# Altium PCB PCB1.PcbDoc (part 1 of 2)
Units mm, origin at the board's own origin, x right, y up, seen from the top; angles counter-clockwise.
Board outline 98.68 x 97.8 mm, 2 copper layers (Top Layer, Bottom Layer), stack 1.569 mm thick; 110 components, 107 nets, 431 pads, 347 vias.
Unrouted connection lines stored in the file: 1.
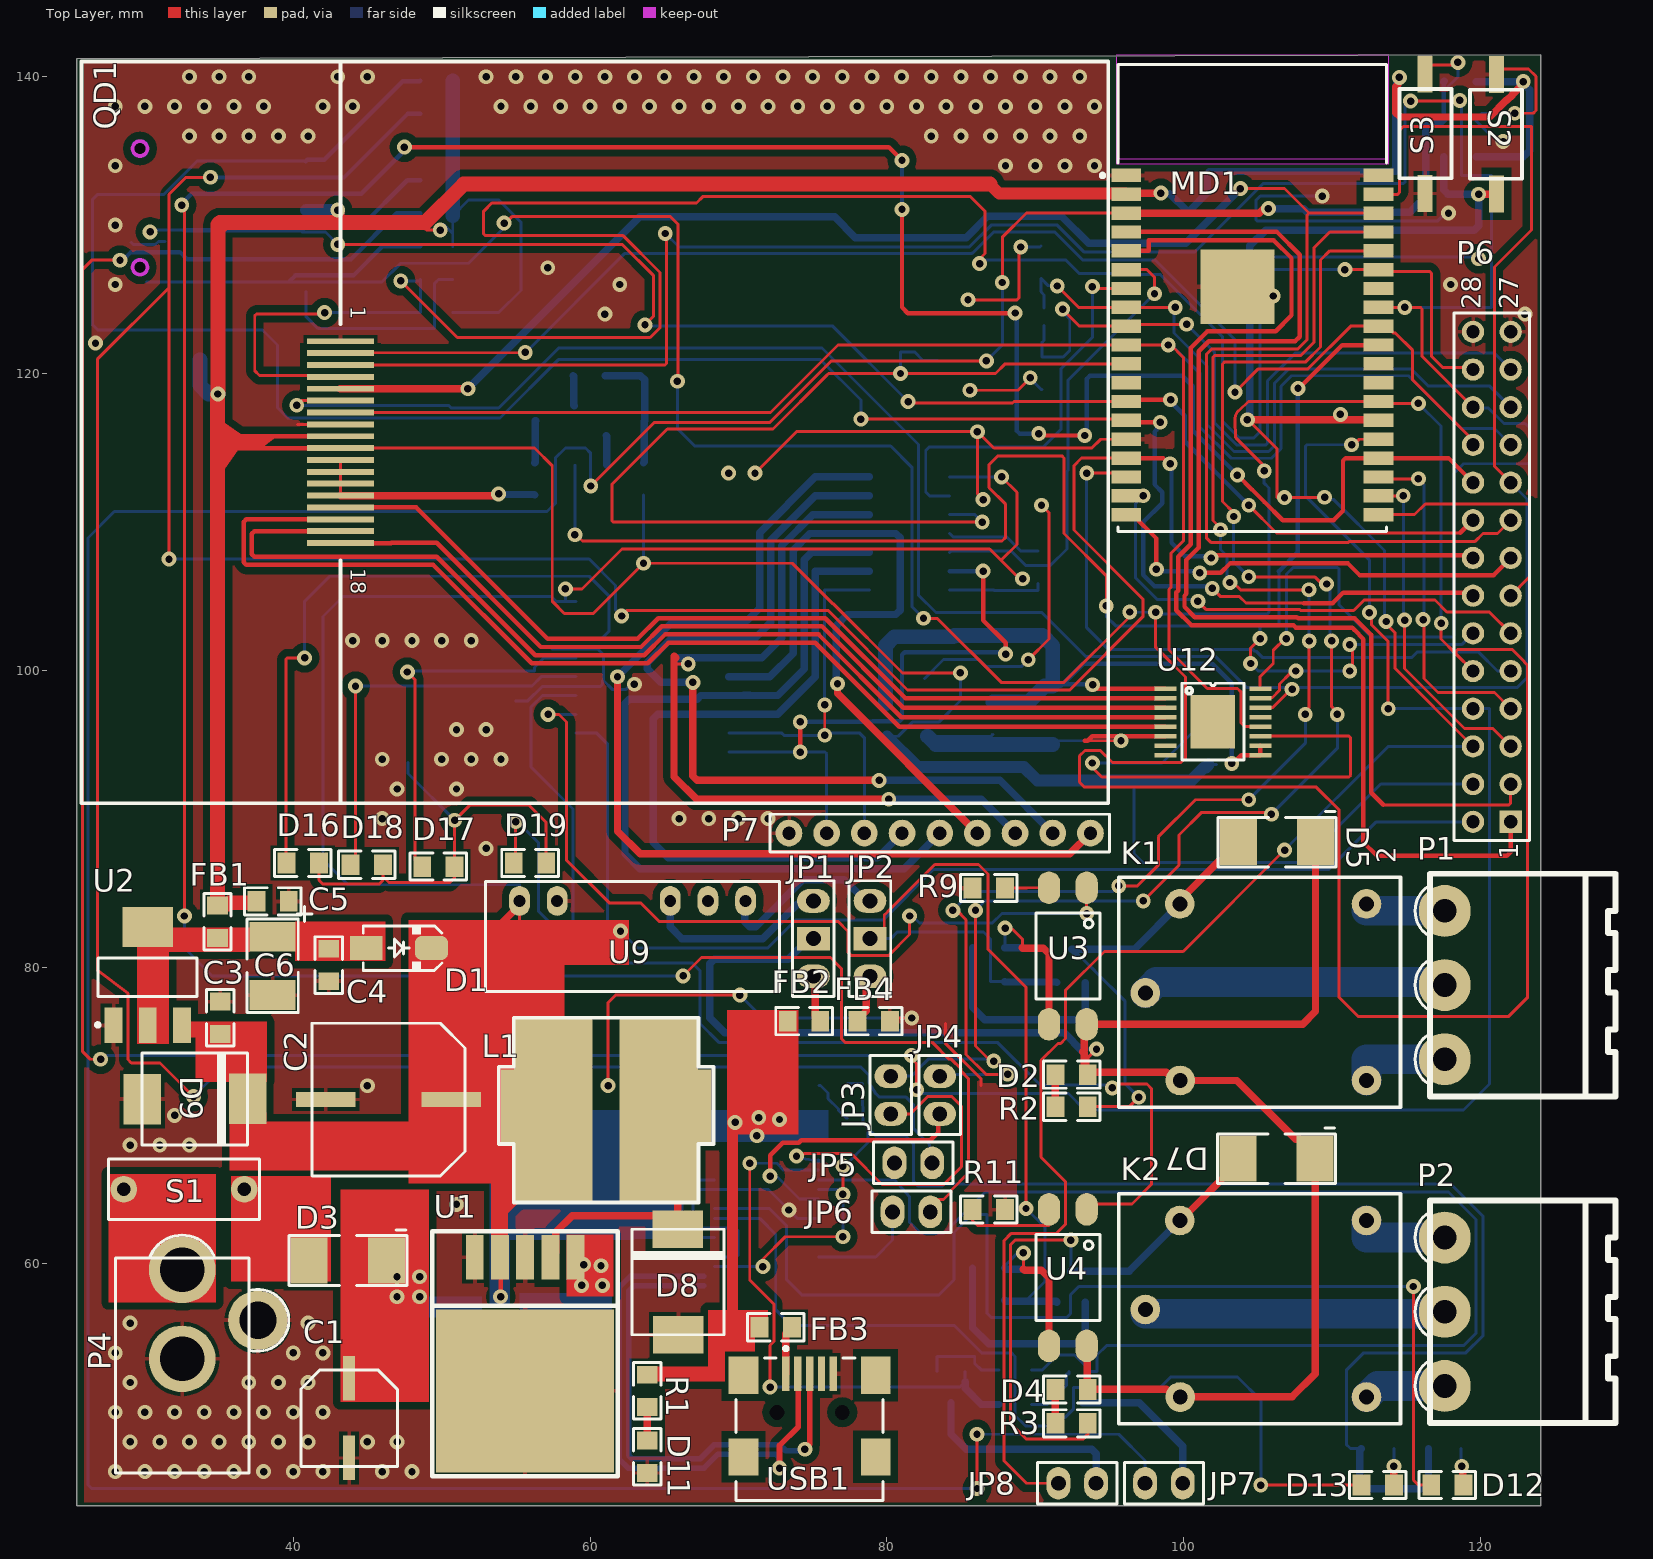
[diagram p0: Top Layer view]
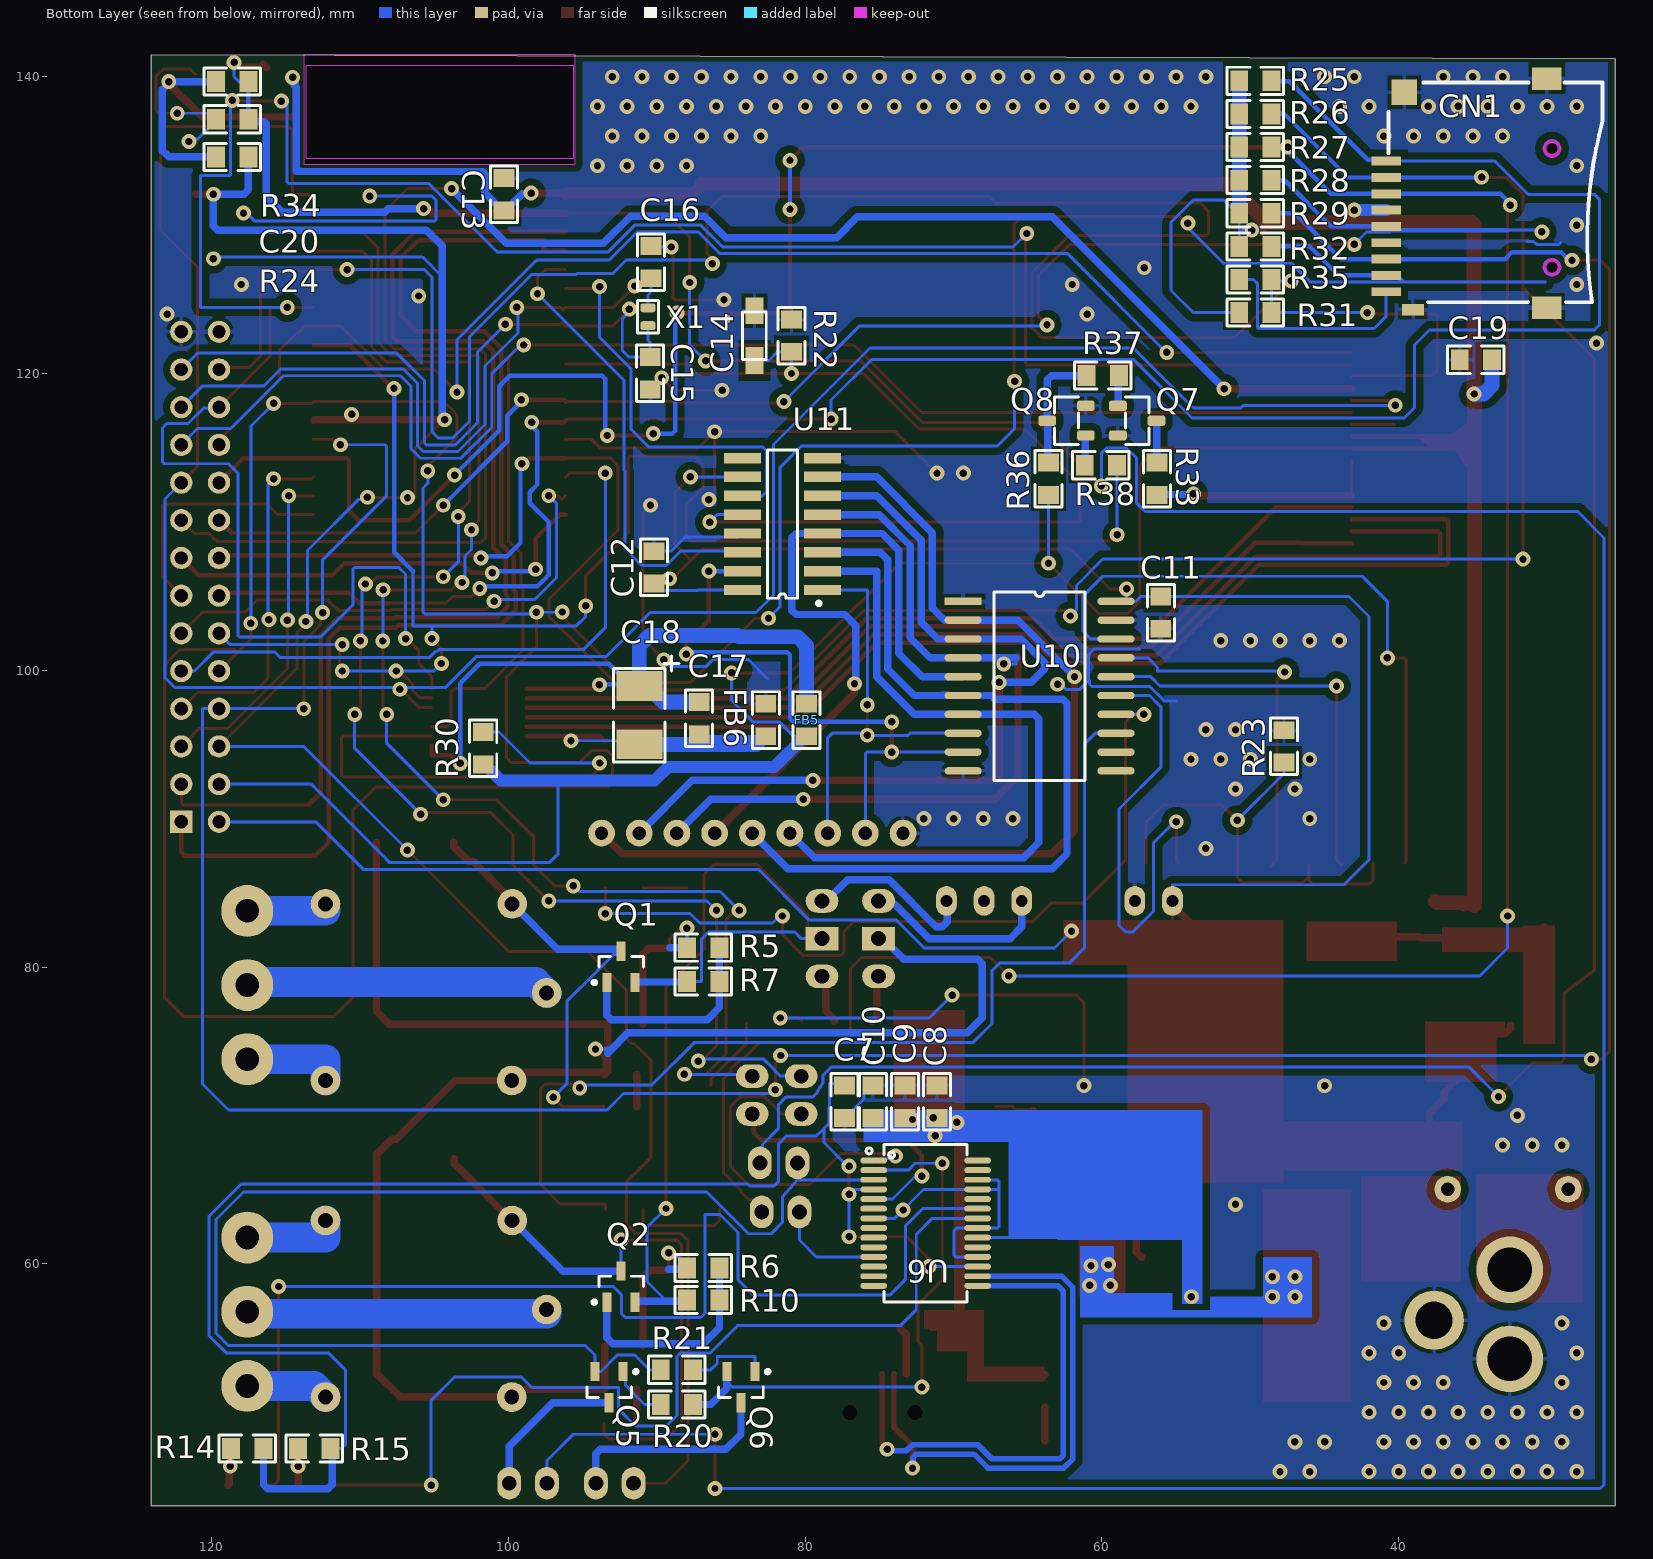
[diagram p1: Bottom Layer view, seen from below]

## Layer stack, top to bottom
Top Solder: solder mask 0.0254, SM-001, Dk 4
Top Layer: signal copper 0.035
Dielectric 1: core 1.4986, Core-043, Dk 4.3
Bottom Layer: signal copper 0.035
Bottom Solder: solder mask 0.0254, SM-001, Dk 4

## Board outline
25.4,43.688 25.4,141.201 124.079,141.491 124.079,43.688
cut-out: 113.792,141.478 113.792,134.112 95.504,134.112 95.504,141.478

## Design rules (kind name [scope] priority, off if disabled: settings)
Clearance Clearance_2 [InNamedPolygon('GND_L01_P004') Or InNamedPolygon('GND_L02_P002')] p1: gap=0.5 ignorepadtopadclearanceinfootprint=FALSE
Clearance Clearance_1 [InNamedPolygon('ADC_GND_L01_P000') Or InNamedPolygon('GND_L01_P004') Or InNamedPolygon('ADC_GND_L02_P003') Or InNamedPolygon('GND_L02_P002')] p2: gap=1 ignorepadtopadclearanceinfootprint=FALSE
Clearance [All] p3: gap=0.25 ignorepadtopadclearanceinfootprint=TRUE
ComponentClearance [All] p1: gap=-1 collisioncheckmode=3 verticalgap=2540 showdistances=FALSE
DiffPairsRouting [All] p1: maxlimit=0.254 minlimit=0.254 mostfreqgap=0.254 toplayer_minwidth=0.381 toplayer_maxwidth=0.381 toplayer_prefwidth=0.381 bottomlayer_minwidth=0.381 bottomlayer_maxwidth=0.381 bottomlayer_prefwidth=0.381 maxuncoupledlength=12.7
Height [All] p1: minheight=0 maxheight=55 prefheight=12.7
PolygonConnect [All] p1: connectstyle=Relief reliefconductorwidth=0.254 reliefentries=4 polygonreliefangle="90 Angle" airgapwidth=0.254
RoutingVias [All] p1: holewidth=0.5 width=1 viastyle="Through Hole" minholewidth=0.5 minwidth=1 maxholewidth=0.5 maxwidth=1
SolderMaskExpansion [All] p1: expansion=0.102 istentingtop=FALSE
Width [All] p1: maxlimit=5 minlimit=0.2 preferedwidth=0.2
27 further rules are at their usual default settings.

## Classes and differential pairs
component class "Room Definition 2": C7 C8 C9 C10 D12 D13 FB3 JP5 JP6 JP7 JP8 Q5 Q6 R14 R15 R20 R21 U6 USB1
component class "Room Definition 1": C1 C2 C3 C4 C5 C6 D1 D3 D8 D9 D11 FB1 L1 P4 R1 S1 U1 U2
component class Sheet1: C1 C2 C3 C4 C5 C6 C7 C8 C9 C10 C11 C12 C13 C14 C15 C16 C17 C18 C19 C20 CN1 D1 D2 D3 D4 D5 D7 D8 D9 D11 D12 D13 D16 D17 D18 D19 FB1 FB2 FB3 FB4 FB5 FB6 JP5 JP6 JP7 JP8 K2 L1 MD1 P1 P2 P4 P6 Q1 Q2 Q5 Q6 Q7 Q8 R1 R2 R3 R5 R6 R7 R9 R10 R11 R14 R15 R20 R21 R22 R23 R24 R25 R26 R27 R28 R29 R30 R31 R32 R33 R34 R35 R36 R37 R38 S1 S2 S3 U1 U2 U3 U4 U6 U9 U10 U11 U12 USB1
differential pair USB_D: +USB_D_P -USB_D_N

## Components (designator, comment, footprint, x,y, rotation, side; value= is the part's Value field where it differs from the comment)
C1 "Cap Pol1" C_CYL_SMD2 43.561,49.53 r90 top value=100uF
C2 "Cap Pol1" C_CYL_SMD 46.609,70.993 r0 top value=1000uF
C3 "Cap" SMD_805 35.052,76.581 r0 top value=100nF
C4 "Cap" SMD_805 42.418,80.137 r180 top value=100nF
C5 "Cap" SMD_805 38.608,84.455 r270 top value=100nF
C6 "Cap Pol2" C_B 38.608,80.01 r180 top value=100uF
C7 "Cap" SMD_805 77.318,70.917 r0 bottom value=100nF
C8 "Cap" SMD_805 71.145,70.917 r180 bottom value=100nF
C9 "Cap" SMD_805 73.304,70.917 r180 bottom value=47nF
C10 "Cap" SMD_805 75.463,70.917 r180 bottom value=10nF
C11 "Cap" SMD_805 56.007,103.886 r0 bottom value=100nF
C12 "Cap" SMD_805 90.17,106.934 r0 bottom value=100nF
C13 "Cap" SMD_805 100.33,132.08 r180 bottom value=100nF
C14 "Cap Pol2" CAP_SMD_A 83.439,122.555 r90 bottom value=1uF
C15 "Cap" SMD_805 90.424,120.015 r0 bottom value=12pF
C16 "Cap" SMD_805 90.41,127.508 r180 bottom value=12pF
C17 "Cap" SMD_805 87.122,96.774 r0 bottom value=100nF
C18 "Cap Pol2" C_B 91.186,96.901 r0 bottom value=10uF
C19 "Cap" SMD_805 34.798,120.904 r90 bottom value=100nF
C20 "Cap" SMD_805 118.618,137.109 r90 bottom value=1nf
CN1 "Micr SD Card" "Micro SD Card" 35.433,132.08 r270 bottom
D1 "1N4007" D_SMA 47.117,81.28 r0 top
D2 "LED0" SMD_805 92.456,72.771 r270 top
D3 "Diode 1N4007" TVS 43.688,60.198 r270 top
D4 "LED0" SMD_805 92.456,51.562 r270 top
D5 "Diode" TVS 106.299,88.392 r270 top
D7 "Diode" TVS 106.274,67.056 r270 top
D8 "1N5822" DO_214_AB_SMC 65.913,58.801 r90 top
D9 "smbj5V" DO_214_AB_SMC 33.401,71.12 r0 top
D11 "LED0" SMD_805 63.83,46.99 r0 top
D12 "LED0" SMD_805 117.78,45.11 r270 top
D13 "LED0" SMD_805 113.081,45.11 r270 top
D16 "LED0" SMD_805 40.64,86.995 r90 top
D17 "LED0" SMD_805 49.784,86.741 r90 top
D18 "LED0" SMD_805 44.958,86.868 r90 top
D19 "LED0" SMD_805 55.956,86.995 r90 top
FB1 "FERRIT" SMD_805 34.925,83.058 r180 top
FB2 "FERRIT" SMD_805 74.422,76.327 r90 top
FB3 "FERRIT" SMD_805 72.517,55.753 r270 top
FB4 "FERRIT" SMD_805 79.121,76.378 r270 top
FB5 "FERRIT" SMD_805 79.883,96.647 r0 bottom
FB6 "FERRIT" SMD_805 82.677,96.647 r180 bottom
JP1 "JMPHDR3PIN" JP_3 75.057,81.915 r90 top
JP2 "JMPHDR3PIN" JP_3 78.867,81.915 r90 top
JP3 "JMPHDR2PIN" JP_2_BLK 80.264,71.374 r90 top
JP4 "JMPHDR2PIN" JP_2_BLK 83.566,71.374 r90 top
JP5 "JMPHDR2PIN" JP_2_BLK 81.788,66.802 r0 top
JP6 "JMPHDR2PIN" JP_2_BLK 81.661,63.5 r0 top
JP7 "JMPHDR2PIN" JP_2_BLK 98.679,45.212 r0 top
JP8 "JMPHDR2PIN" JP_2_BLK 92.837,45.212 r0 top
K1 "Relay" RELAY_5V 105.664,78.105 r90 top
K2 "Relay" RELAY_5V 105.664,56.769 r90 top
L1 "Inductor" INDUC_SMD 61.087,70.104 r180 top value=100uH
MD1 "ESP32-WROVER-I" FP-ESP32-WROVER-I-MFG 104.639,125.09 r0 top
P1 "Header 3" PHOENIX_3 117.602,78.787 r90 top
P2 "Header 3" PHOENIX_3 117.602,56.769 r90 top
P4 "Header 2" adap_jack 37.012,45.894 r90 top
P6 "Header 14X2" HDR2X14 122.047,89.789 r90 top
P7 "Header 9" "ARAY 9" 86.741,89.027 r270 top
Q1 "BC817" SOT23 92.411,79.883 r180 bottom
Q2 "BC817" SOT23 92.411,58.335 r180 bottom
Q5 "BC817" SOT23 93.218,51.816 r0 bottom
Q6 "BC817" SOT23 84.328,51.816 r0 bottom
Q7 "SS8050" SOT23_3 57.628,116.824 r180 bottom
Q8 "SS8050" SOT23_3 62.387,116.824 r0 bottom
QD1 "QD3203-RY" QD-TFT2803 25.72,141.034 r270 top
R1 "Res1" SMD_805 63.881,51.435 r180 top value=1K
R2 "Res1" SMD_805 92.456,70.612 r270 top value=1k
R3 "Res1" SMD_805 92.456,49.276 r270 top value=1k
R5 "Res1" SMD_805 86.868,81.28 r90 bottom value=1k
R6 "Res1" SMD_805 86.868,59.69 r90 bottom value=1k
R7 "Res1" SMD_805 86.868,78.994 r90 bottom value=10k
R9 "Res1" SMD_805 86.868,85.344 r270 top value=1k
R10 "Res1" SMD_805 86.868,57.531 r90 bottom value=10k
R11 "Res1" SMD_805 86.868,63.627 r90 top value=1k
R14 "Res1" SMD_805 117.602,47.523 r90 bottom value=270
R15 "Res1" SMD_805 113.081,47.523 r90 bottom value=270
R20 "Res1" SMD_805 88.646,50.546 r270 bottom value=10K
R21 "Res1" SMD_805 88.646,52.832 r90 bottom value=10K
R22 "Res1" SMD_805 80.899,122.555 r0 bottom value=6.8k
R23 "Res1" SMD_805 47.752,94.869 r180 bottom value=6.8k
R24 "Res1" SMD_805 118.618,134.62 r270 bottom value=10K
R25 "Res1" SMD_805 49.657,139.7 r90 bottom value=10k
R26 "Res1" SMD_805 49.657,137.468 r90 bottom value=10k
R27 "Res1" SMD_805 49.657,135.237 r90 bottom value=10k
R28 "Res1" SMD_805 49.657,133.005 r90 bottom value=10k
R29 "Res1" SMD_805 49.657,130.774 r90 bottom value=10k
R30 "Res1" SMD_805 101.727,94.742 r180 bottom value=50K
R31 "Res1" SMD_805 49.657,124.079 r90 bottom value=10k
R32 "Res1" SMD_805 49.657,128.542 r90 bottom value=10k
R33 "Res1" SMD_805 56.261,112.903 r0 bottom value=15ohm
R34 "Res1" SMD_805 118.618,139.7 r270 bottom value=10K
R35 "Res1" SMD_805 49.657,126.361 r270 bottom value=0ohm
R36 "Res1" SMD_805 63.627,112.903 r180 bottom value=10K
R37 "Res1" SMD_805 59.944,119.888 r270 bottom value=5.1K
R38 "Res1" SMD_805 60.071,113.792 r90 bottom value=5.1K
S1 "SW-SPST" KEY1 32.766,65.024 r0 top
S2 "SW-PB" SMD_BUTTON 120.904,136.144 r90 top
S3 "SW-PB" SMD_BUTTON 116.459,136.144 r270 top
U1 "LM2576HVT-5.0" "TO - 263" 55.626,55.935 r180 top
U2 "AMS1117-3.3" SOT223 30.226,79.375 r0 top
U3 "Optoisolator1" PC817_SMD 92.329,80.772 r270 top
U4 "Optoisolator1" PC817_SMD 92.329,59.097 r270 top
U6 "FT232RL" SOG65_28_W 71.882,62.738 r180 bottom
U9 "MAU202" MINMAX_MAU200 62.865,84.455 r0 top
U10 "M74HC541B1R" SOP20 69.355,104.648 r180 bottom
U11 "M74HC595M1R" SO16_L 81.534,109.601 r0 bottom
U12 "XPT2046" TSSOP-16 101.981,96.52 r0 top
USB1 "MICRO_USB" MINI_USB 74.666,49.964 r180 top
X1 "XTL_32.768KHz" XTL_2_1610 90.599,123.825 r90 bottom

## Footprints (in the part's own frame and the unit in brackets; to place one, negate y for a bottom-side part, rotate by r counter-clockwise, add the part's x,y. Pads: shape width x height; smd on the part's side, far side on the other; paste and mask are expansions set on the pad)
adap_jack [mm]
  round 4.5 hole 3: 1(7.7,4.5) 2(13.7,4.5)
  round 4 hole 2.5: 1(10.3,-0.6)
  silkscreen extent 0,-2.68 16.04,9, body extent -0.1,-0.5 14.7,9, height 10
"ARAY 9" [mm]
  round 1.8 hole 0.9: 1(0,6.985) 2(0,4.445) 3(0,1.905) 4(0,-0.635) 5(0,-3.175) 6(0,-5.715) 7(0,-8.255) 8(0,-10.795) 9(0,-13.335)
  silkscreen extent -1.27,-14.6 1.27,8.25
C_B [mm]
  rect 3.1x2 smd: 1(-0.002,-2.041) 2(-0.002,1.896)
  silkscreen extent -2.67,-4.07 1.73,3.07, body extent -1.4,-1.78 1.4,1.78, height 2.23
C_CYL_SMD [mm]
  rect 4x1 smd: 1(4.039,0.076) 2(-4.42,0.076)
  silkscreen extent -5.33,-5.08 4.97,5.22, body extent -5.33,-5.08 4.97,5.22, height 10
C_CYL_SMD2 [mm]
  rect 3x0.8 smd: 1(2.769,-0.203) 2(-2.616,-0.203)
  silkscreen extent -3.18,-3.45 3.33,3.05, body extent -3.18,-3.45 3.32,3.05, height 5
CAP_SMD_A [mm]
  rect 1.8x1.2 smd: 1(-1.676,-0.025) 2(1.676,-0.025)
  silkscreen extent -1.6,-0.81 1.6,0.79, body extent -1.65,-0.76 1.52,0.84, height 1.77
D_SMA [mm] "SMA Molded Diode, 2-Leads, Body 4.3x2.7mm, SOD-128"
  rect 2.2x1.6 smd: 1(-2.2,0)
  rrect50% 2.2x1.6 smd: 2(2.2,0)
  silkscreen extent -2.4,-1.5 2.9,1.5, body extent -2.75,-1.4 2.75,1.4, height 2.6
DO_214_AB_SMC [mm]
  rect 2.5x3.4 smd: 1(-3.581,-0.025) 2(3.531,0)
  silkscreen extent -3.58,-3.12 3.53,3.1, body extent -4.1,-2.83 3.84,3.08, height 2.71
FP-ESP32-WROVER-I-MFG [mm]
  rect 2x0.9 smd paste+0 mask+0: 1(-8.5,8.26) 2(-8.5,6.99) 3(-8.5,5.72) 4(-8.5,4.45) 5(-8.5,3.18) 6(-8.5,1.91) 7(-8.5,0.64) 8(-8.5,-0.63) 9(-8.5,-1.9) 10(-8.5,-3.17) 11(-8.5,-4.44) 12(-8.5,-5.71) 13(-8.5,-6.98) 14(-8.5,-8.25) 15(-8.5,-9.52) 16(-8.5,-10.79) 17(-8.5,-12.06) 18(-8.5,-13.33) 19(-8.5,-14.6) 20(8.5,-14.6) 21(8.5,-13.33) 22(8.5,-12.06) 23(8.5,-10.79) 24(8.5,-9.52) 25(8.5,-8.25) 26(8.5,-6.98) 27(8.5,-5.71) 28(8.5,-4.44) 29(8.5,-3.17) 30(8.5,-1.9) 31(8.5,-0.63) 32(8.5,0.64) 33(8.5,1.91) 34(8.5,3.18) 35(8.5,4.45) 36(8.5,5.72) 37(8.5,6.99) 38(8.5,8.26)
  rect 5x5 smd paste+0 mask+0: 39(-1,0.76)
  Keep-Out Layer region: -9,9.4 9,9.4 9,15.7 -9,15.7
  Keep-Out Layer region: -9,9.4 9,9.4 9,15.7 -9,15.7
  silkscreen extent -10.22,-15.75 9.05,15.75, body extent -9.6,-15.85 9.6,15.85, height 0.25
HDR2X14 [mm] "Connector; Header; 14x2 Position"
  rect 1.5x1.5 hole 0.9: 1(0,0)
  round 1.5 hole 0.9: 2(0,2.54) 3(2.54,0) 4(2.54,2.54) 5(5.08,0) 6(5.08,2.54) 7(7.62,0) 8(7.62,2.54) 9(10.16,0) 10(10.16,2.54) 11(12.7,0) 12(12.7,2.54) 13(15.24,0) 14(15.24,2.54) 15(17.78,0) 16(17.78,2.54) 17(20.32,0) 18(20.32,2.54) 19(22.86,0) 20(22.86,2.54) 21(25.4,0) 22(25.4,2.54) 23(27.94,0) 24(27.94,2.54) 25(30.48,0) 26(30.48,2.54) 27(33.02,0) 28(33.02,2.54)
  silkscreen extent -1.27,-1.27 34.29,3.81, body extent -1.52,-1.14 34.54,3.94, height 15.51
INDUC_SMD [mm]
  rect 2x5 smd: 1(-6.096,-0.508) 2(6.096,-0.508)
  rect 5.3x12.4 smd: 1(-3.556,-0.254) 2(3.556,-0.254)
  silkscreen extent -7.23,-6.48 7.24,5.97, body extent -5.28,-5.48 5.02,4.72, height 4.1
JP_2_BLK [mm] "Jumper Header 2.54mm Pitch, Vertical, BLACK"
  oval 1.6x2.2 hole 1: 1(-1.27,0) 2(1.27,0)
  silkscreen extent -2.67,-1.4 2.67,1.4, body extent -2.54,-1.27 2.54,1.27, height 8.57
JP_3 [mm] "Jumper Header 2.54mm Pitch, 3PIN, Vertical"
  oval 1.6x2.2 hole 1: 1(-2.54,0) 3(2.54,0)
  rect 1.6x2.2 hole 1: 2(0,0)
  silkscreen extent -3.9,-1.4 3.9,1.4, body extent -3.82,-1.27 3.8,1.27, height 8.57
KEY1 [mm]
  round 1.8 hole 0.9: 1(-4.191,0) 2(3.937,0)
  silkscreen extent -5.21,-2.03 4.95,2.03, body extent -5.21,-2.03 4.95,2.03, height 7.1
"Micro SD Card" [mm]
  rect 0.6x2 smd: 1(-2.23,-5.414) 2(-1.129,-5.414) 3(-0.03,-5.414) 4(1.071,-5.414) 5(2.17,-5.414) 6(3.271,-5.414) 7(4.37,-5.414) 8(5.47,-5.414) 9(6.571,-5.414)
  rect 0.8x1.5 smd: 10(7.78,-3.603)
  rect 1.7x1.7 smd: 11(-6.879,-4.195)
  rect 1.5x2 smd: 12(7.653,5.414) 13(-7.78,5.405)
  Keep-Out Layer lines w0.254: 5.42,5.764 cw(c4.921,5.764) 4.421,5.764 cw(c4.921,5.764) 5.42,5.764 ; -2.579,5.764 cw(c-3.079,5.764) -3.579,5.764 cw(c-3.079,5.764) -2.579,5.764
  silkscreen extent -7.53,-5.25 7.27,9.17, body extent -8.05,-5.44 7.95,9.81, height 1.85
MINI_USB [mm]
  rect 0.5x2.3 smd mask+0.04: 1(1.468,-2.626) 2(0.668,-2.626) 3(-0.132,-2.626) 4(-0.932,-2.626) 5(-1.732,-2.626)
  rect 2x2.5 smd: 6(-4.582,-2.526) 7(-4.582,2.974) 8(4.318,-2.526) 9(4.318,2.974)
  round 0.6 hole 1 unplated: MH1(-2.332,-0.026) MH2(2.068,-0.026)
  silkscreen extent -5.08,-4.45 4.82,5.92, body extent -5.08,-3.38 4.82,5.87, height 3.93
MINMAX_MAU200 [mm] "DC-DC Module, MAU200"
  oval 1.4x2 hole 0.8: 1(-7.62,0) 2(-5.08,0) 5(2.54,0) 6(5.08,0) 7(7.62,0)
  silkscreen extent -9.9,-6.1 9.9,1.3, body extent -9.75,-6 9.75,1.2, height 10
PC817_SMD [mm]
  oval 2.2x1.5 smd: 1(-4.572,1.143) 2(-4.572,-1.397) 3(4.628,-1.397) 4(4.628,1.143)
  silkscreen extent -2.87,-2.29 2.92,2.03, body extent -4.67,-2.54 4.93,2.06, height 3.6
PHOENIX_3 [mm]
  round 3.5 hole 1.6: 1(5,0) 2(0,0) 3(-5,0)
  silkscreen extent -7.5,-11.5 7.5,2, body extent -7.62,-7.49 7.62,1.71, height 7.25
QD-TFT2803 [mm]
  rect 0.4x4.5 smd: 1(18.86,17.46) 2(19.66,17.46) 3(20.46,17.46) 4(21.26,17.46) 5(22.06,17.46) 6(22.86,17.46) 7(23.66,17.46) 8(24.46,17.46) 9(25.26,17.46) 10(26.06,17.46) 11(26.86,17.46) 12(27.66,17.46) 13(28.46,17.46) 14(29.26,17.46) 15(30.06,17.46) 16(30.86,17.46) 17(31.66,17.46) 18(32.46,17.46)
  silkscreen extent 0,0 50,69.2, body extent 0.63,0.64 49.02,68.45, height 1
RELAY_5V [mm]
  round 2 hole 1: 1(0.151,8.236) 2(6.151,-6.664) 3(-5.749,-6.664) 4(-5.749,5.89) 5(6.151,5.914)
  silkscreen extent -7.55,-8.96 7.95,10.04, body extent -7.5,-8.61 8,10.39, height 15.3
SMD_805 [mm]
  rect 1.4x1.2 smd: 1(0.025,1.092) 2(0.025,-1.092)
  silkscreen extent -0.89,-1.91 0.94,1.91, body extent -0.66,-1.09 0.71,1.12, height 1.1
SMD_BUTTON [mm]
  rect 2.5x1 smd: 1(4.013,-0.178) 2(-4.039,-0.178)
  silkscreen extent -3.02,-1.9 2.98,1.6, body extent -4.13,-2 3.87,1.5, height 4.2
SO16_L [mm]
  rect 2.5x0.7 smd: 1(-2.704,4.191) 2(-2.704,2.921) 3(-2.704,1.651) 4(-2.704,0.381) 5(-2.704,-0.889) 6(-2.704,-2.159) 7(-2.704,-3.429) 8(-2.704,-4.699) 9(2.704,-4.699) 10(2.704,-3.429) 11(2.704,-2.159) 12(2.704,-0.889) 13(2.704,0.381) 14(2.704,1.651) 15(2.704,2.921) 16(2.704,4.191)
  silkscreen extent -2.57,-5.25 1.02,5.22, body extent -2,-5.25 2,4.75, height 1.75
SOG65_28_W [mm] "SOP, 28-Leads, Body 10.6x5.6mm (max), Pitch 0.65mm"
  oval 1.8x0.4 smd mask+0.075: 1(-3.5,4.225) 2(-3.5,3.575) 3(-3.5,2.925) 4(-3.5,2.275) 5(-3.5,1.625) 6(-3.5,0.975) 7(-3.5,0.325) 8(-3.5,-0.325) 9(-3.5,-0.975) 10(-3.5,-1.625) 11(-3.5,-2.275) 12(-3.5,-2.925) 13(-3.5,-3.575) 14(-3.5,-4.225) 15(3.5,-4.225) 16(3.5,-3.575) 17(3.5,-2.925) 18(3.5,-2.275) 19(3.5,-1.625) 20(3.5,-0.975) 21(3.5,-0.325) 22(3.5,0.325) 23(3.5,0.975) 24(3.5,1.625) 25(3.5,2.275) 26(3.5,2.925) 27(3.5,3.575) 28(3.5,4.225)
  silkscreen extent -4.01,-5.3 2.8,5.3, body extent -3.88,-5.17 3.88,5.16, height 2.16
SOP20 [mm]
  rect 2.5x0.5 smd: 1(0,0)
  oval 2.5x0.5 smd: 2(0,-1.27) 3(0,-2.54) 4(0,-3.81) 5(0,-5.08) 6(0,-6.35) 7(0,-7.62) 8(0,-8.89) 9(0,-10.16) 10(0,-11.43) 11(10.3,-11.43) 12(10.3,-10.16) 13(10.3,-8.89) 14(10.3,-7.62) 15(10.3,-6.35) 16(10.3,-5.08) 17(10.3,-3.81) 18(10.3,-2.54) 19(10.3,-1.27) 20(10.3,0)
  silkscreen extent 2.08,-12.07 8.22,0.63, body extent 1.27,-12.07 9.02,0.76, height 1.6
SOT23 [mm]
  rect 0.6x1.3 smd: 1(-0.95,-0.923) 2(0.95,-0.923) 3(0,1.177)
  silkscreen extent -1.93,-1.05 1.5,0.83, body extent -1.5,-0.57 1.5,0.83, height 1.1
SOT23_3 [mm] "SOT-23, Micro3, MO-178, TO-236AB, MO-193C, SuperSOT3, SC-59, 1.5x3mm, Pitch 1.9mm"
  rrect50% 1.2x0.7 smd mask+0.1: 1(-1.3,1) 2(-1.3,-1) 3(1.3,0)
  silkscreen extent -0.8,-1.6 0.8,1.6, body extent -1.32,-1.5 1.32,1.5, height 1.08
SOT223 [mm]
  rect 1.2x2.4 smd: 1(-2.337,-3.302) 2(-0.034,-3.302) 3(2.265,-3.302)
  rect 3.4x2.7 smd: 2(-0.034,3.327)
  silkscreen extent -3.53,-3.4 3.3,1.25, body extent -3.3,-3.88 3.2,3.12, height 1.76
"TO - 263" [mm]
  rect 1.2x3 smd: 1(-3.4,-4.5) 2(-1.7,-4.5) 3(0,-4.5) 4(1.7,-4.5) 5(3.4,-4.5)
  rect 12x11 smd: 3(0,4.5)
  silkscreen extent -6.25,-6.25 6.25,10.25, body extent -5.08,-5.2 5.08,8.81, height 4.56
TSSOP-16 [mm]
  rect 1.5x0.3 smd: 1(-3.2,2.24) 2(-3.2,1.6) 3(-3.2,0.96) 4(-3.2,0.32) 5(-3.2,-0.32) 6(-3.2,-0.96) 7(-3.2,-1.6) 8(-3.2,-2.24) 9(3.2,-2.24) 10(3.2,-1.6) 11(3.2,-0.96) 12(3.2,-0.32) 13(3.2,0.32) 14(3.2,0.96) 15(3.2,1.6) 16(3.2,2.24)
  rect 3x3.6 smd: 17(0,0)
  silkscreen extent -2.1,-2.56 2.1,2.61, body extent -3.2,-2.5 3.2,2.5, height 1.1